# Altium PCB spin5v1_simple.PcbDoc (part 20 of 25)
Units mm, origin at the board's own origin, x right, y up, seen from the top; angles counter-clockwise.
Board outline 220.03 x 233.43 mm, 2 copper layers (TOP, BOTTOM), stack 0.176 mm thick; 1457 components, 4724 nets, 19245 pads, 25289 vias.
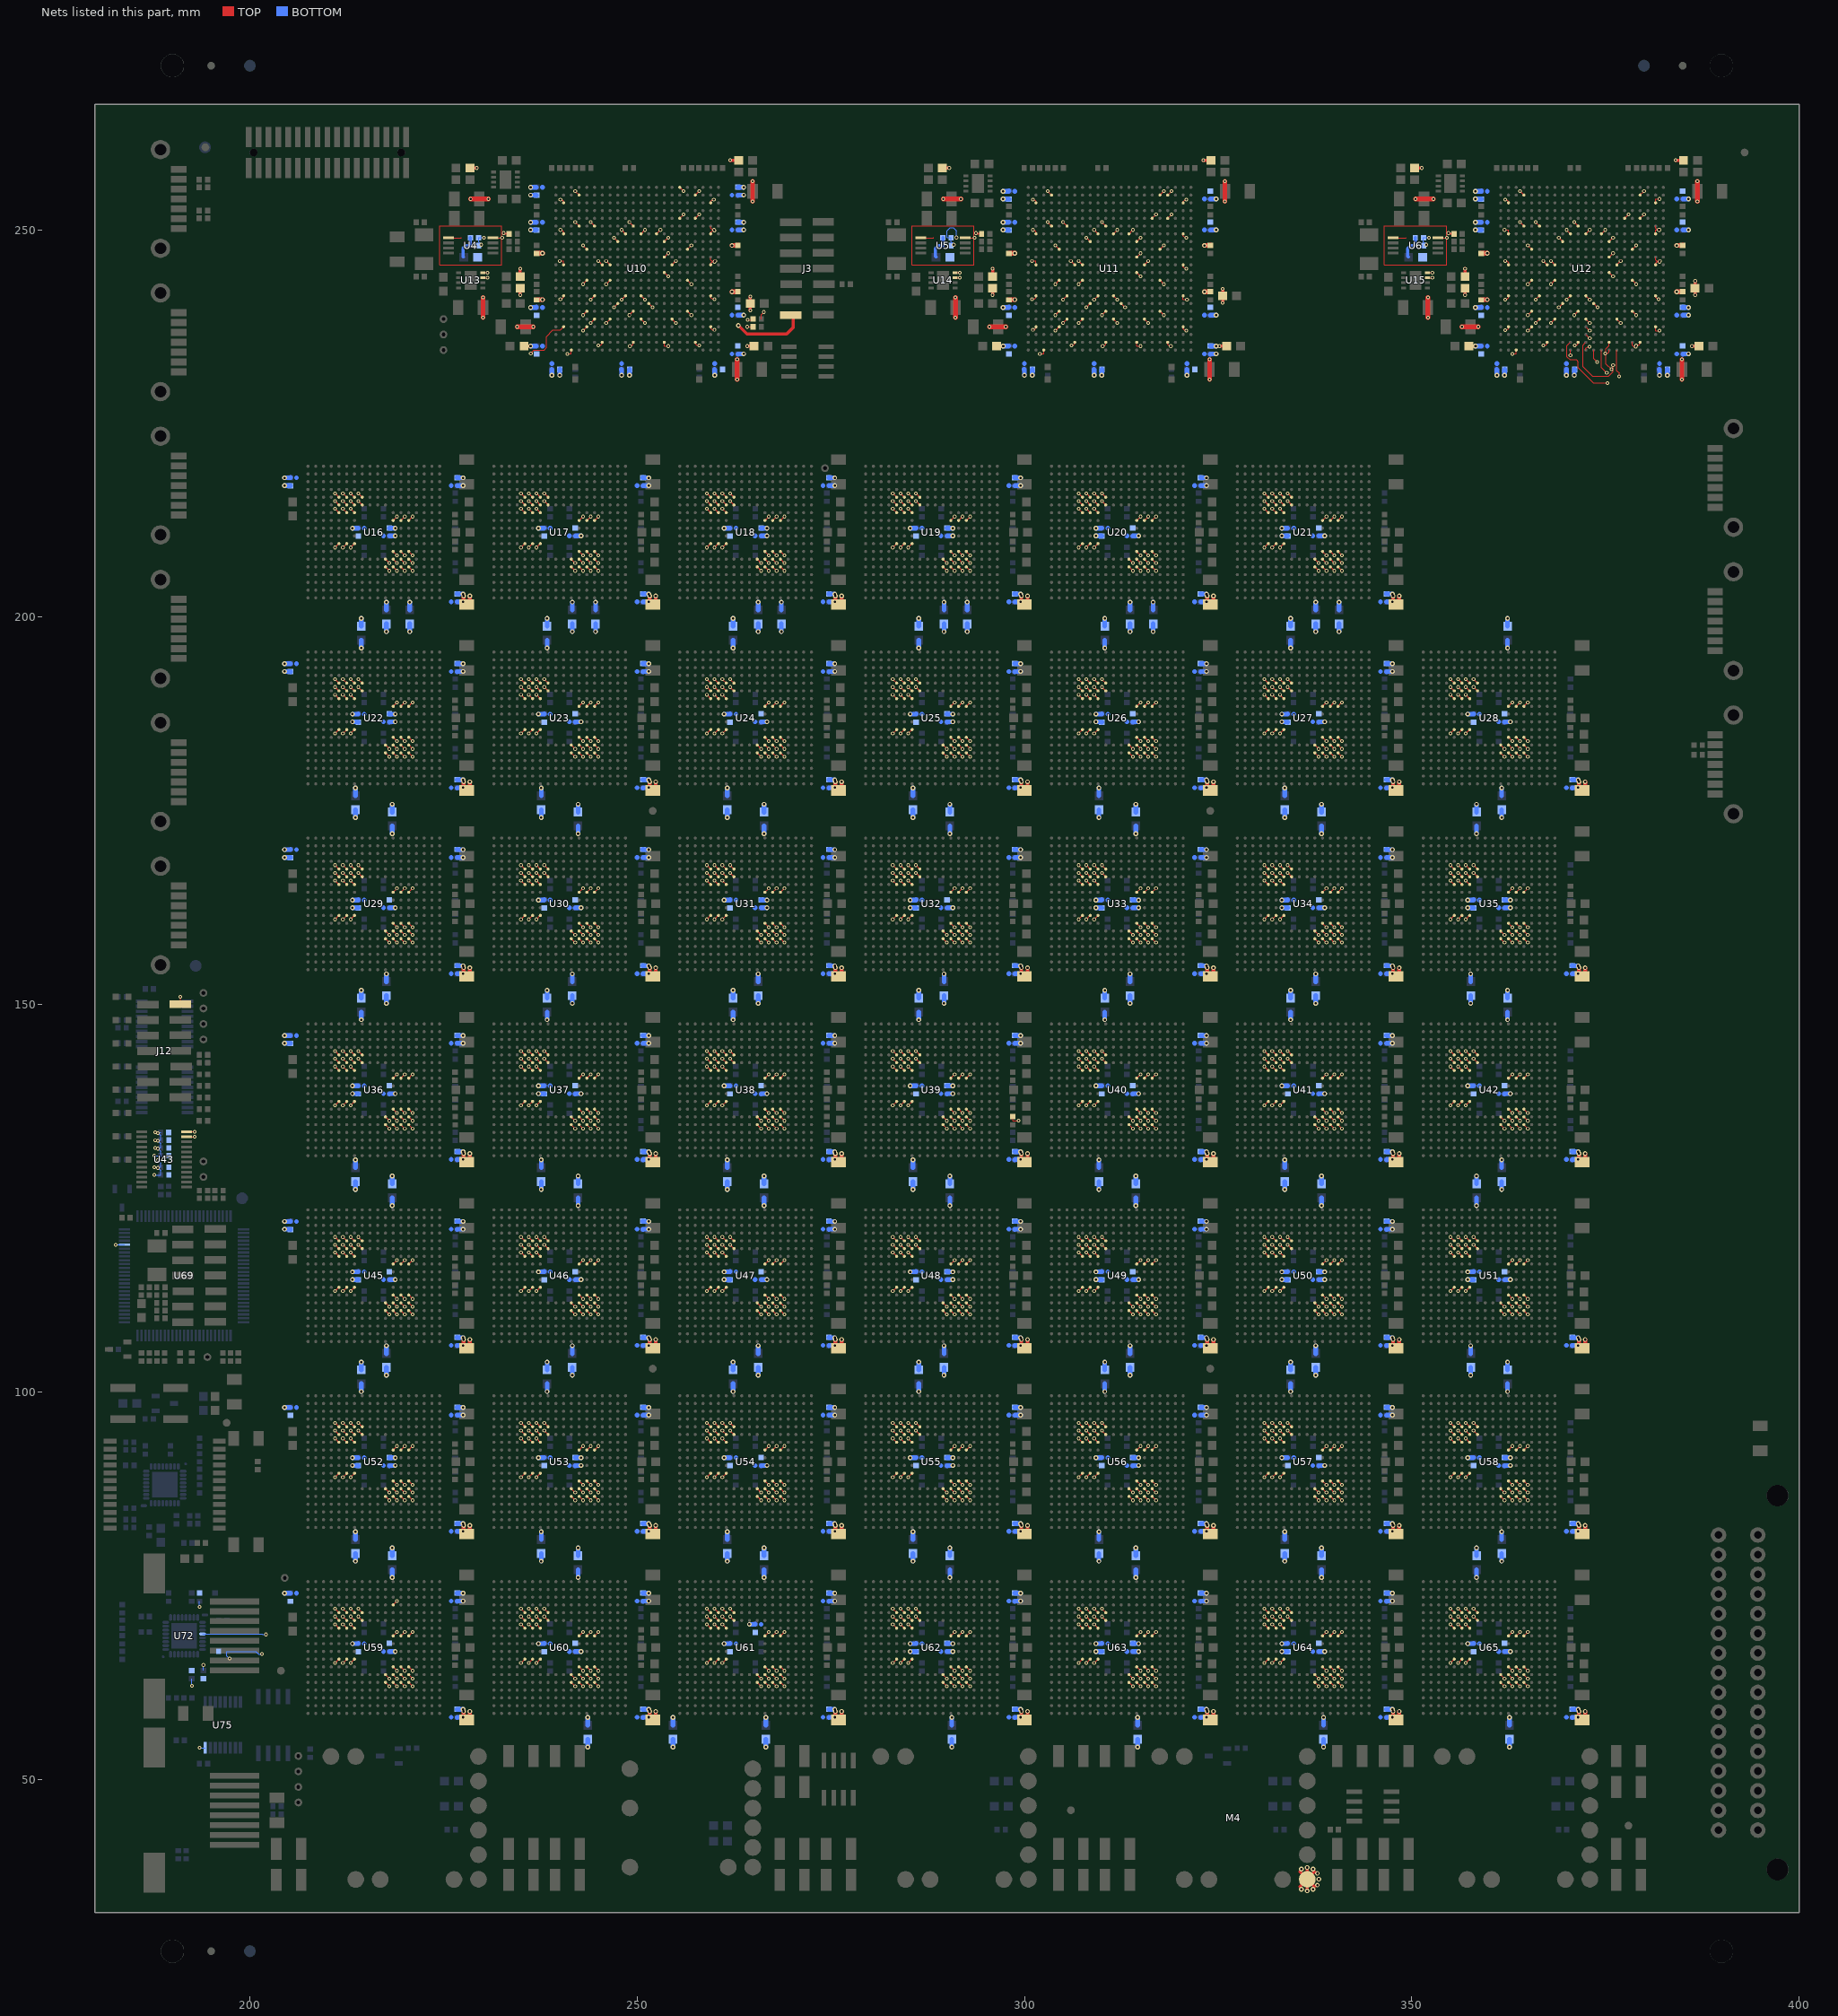
[diagram p20: the nets of this part, all layers, seen from the top]

## Via types
v1: diameter 0.48, hole 0.25, TOP to BOTTOM, 22348 vias
v2: diameter 0.61, hole 0.3, TOP to BOTTOM, 2059 vias
v3: diameter 0.8, hole 0, TOP to BOTTOM, 882 vias

## Nets (pads, with @x,y where several pads share a name; then routed paths per layer and width w, separated by ;. In a path a pad name is that pad's centre, name@x,y a point inside that pad or via, vN(x,y) a via of type N, cw(c..) or ccw(c..) an arc to the next point about the centre after c; other vN are vias at no path point) (continued)
V18: C2.1 C3.1 C4.1 C7.1 C14.1 C21.1 C110.1 C111.1 C112.1 C113.1 C114.1 C115.1 C153.1 C154.1 C155.1 C156.1 C157.1 C158.1 C196.1 C197.1 C198.1 C199.1 C200.1 C201.1 C202.1 C242.1 C243.1 C244.1 C245.1 C246.1 C247.1 C248.1 C285.1 C286.1 C287.1 C288.1 C289.1 C290.1 C291.1 C333.1 C334.1 C335.1 C336.1 C337.1 C338.1 C339.1 C380.1 C381.1 C382.1 C383.1 C384.1 C385.1 C386.1 C425.1 C426.1 C427.1 C428.1 C429.1 C430.1 C431.1 C450.1 C451.1 C452.1 C453.1 C454.1 C455.1 C456.1 C457.1 C458.1 C459.1 C460.1 C461.1 C468.1 C469.1 C470.1 C471.1 C472.1 C473.1 C476.1 C477.1 C478.1 C479.1 C480.1 C481.1 C484.1 C485.1 C486.1 C487.1 C488.1 C489.1 C490.1 C491.1 C492.1 C495.1 C496.1 C497.1 C498.1 C499.1 C500.1 C515.1 C516.1 C517.1 C518.1 C519.1 C520.1 C521.1 C522.1 C523.1 C524.1 C525.1 C526.1 C539.1 C540.1 C541.1 C542.1 C543.1 C544.1 C549.1 C550.1 C551.1 C552.1 C553.1 C554.1 C555.1 C556.1 C557.1 C558.1 C559.1 C560.1 C561.1 C562.1 C563.1 C564.1 C565.1 C566.1 C567.1 C572.1 C573.1 C574.1 C575.1 C576.1 C577.1 C578.1 C593.1 C594.1 C595.1 C596.1 C597.1 C598.1 C599.1 C600.1 C601.1 C602.1 C603.1 C604.1 C605.1 C606.1 C625.1 C626.1 C627.1 C628.1 C629.1 C630.1 C631.1 C634.1 C635.1 C636.1 C637.1 C638.1 C639.1 C640.1 C641.1 C642.1 C643.1 C644.1 C645.1 C646.1 C647.1 C648.1 C649.1 C650.1 C651.1 C652.1 C653.1 C654.1 C669.1 C670.1 C671.1 C672.1 C673.1 C674.1 C675.1 C676.1 C677.1 C678.1 C679.1 C680.1 C681.1 C682.1 C697.1 C698.1 C699.1 C700.1 C701.1 C702.1 C703.1 C705.1 C706.1 C707.1 C708.1 C709.1 C710.1 C711.1 C712.1 C713.1 C714.1 C715.1 C716.1 C717.1 C718.1 C719.1 C720.1 C721.1 C722.1 C723.1 C724.1 C725.1 C740.1 C741.1 C742.1 C743.1 C744.1 C745.1 C746.1 C747.1 C748.1 C749.1 C750.1 C751.1 C752.1 C753.1 C768.1 C769.1 C770.1 C771.1 C772.1 C773.1 C774.1 C775.1 C776.1 C777.1 C778.1 C779.1 C780.1 C781.1 C782.1 C783.1 C784.1 C785.1 C786.1 C787.1 C788.1 C789.1 C791.1 C792.1 C793.1 C794.1 C795.1 C796.1 C797.1 C812.1 C813.1 C814.1 C815.1 C816.1 C817.1 C818.1 C819.1 C820.1 C821.1 C822.1 C823.1 C824.1 C825.1 C840.1 C841.1 C842.1 C843.1 C844.1 C845.1 C846.1 C847.1 C848.1 C849.1 C850.1 C851.1 C852.1 C853.1 C854.1 C855.1 C856.1 C857.1 C858.1 C859.1 C860.1 C863.1 C864.1 C865.1 C866.1 C867.1 C868.1 C869.1 C884.1 C885.1 C886.1 C887.1 C888.1 C889.1 C890.1 C891.1 C892.1 C893.1 C894.1 C895.1 C896.1 C897.1 C915.1 C916.1 C917.1 C918.1 C919.1 C920.1 C921.1 C924.1 C925.1 C926.1 C927.1 C928.1 C929.1 C930.1 C931.1 C932.1 C933.1 C934.1 C935.1 C936.1 C937.1 C938.1 C939.1 C940.1 C941.1 C942.1 C943.1 C944.1 C945.1 C956.1 C963.1 C964.1 C965.1 C966.1 C967.1 C968.1 C969.1 C970.1 C972.1 C973.1 C974.1 C975.1 C976.1 C991.1 C993.1 C994.1 C995.1 C996.1 C997.1 C998.1 C999.1 C1000.1 C1001.1 C1002.1 C1003.1 C1004.1 C1005.1 C1006.1 J12.13 M4.5 R16.1 R109.1 R110.1 R111.1 R113.1 R114.1 R174.1 R176.1 U10.A17 U10.AA7 U10.AA11 U10.AA15 U10.AA19 U10.AB3 U10.B4 U10.B19 U10.C2 U10.C21 U10.E17 U10.E19 U10.F4 U10.F6 U10.G2 U10.G10 U10.G14 U10.G21 U10.J5 U10.J18 U10.L2 U10.L7 U10.L16 U10.L21 U10.N5 U10.N18 U10.R2 U10.R21 U10.T9 U10.T13 U10.U5 U10.U18 U10.V8 U10.V12 U10.V16 U10.W2 U10.W5 U10.W21 U11.AA7 U11.AA11 U11.AA15 U11.AA19 U11.AB3 U11.B4 U11.B18 U11.B19 U11.C2 U11.C21 U11.E17 U11.E19 U11.F4 U11.F6 U11.G2 U11.G10 U11.G14 U11.G21 U11.J5 U11.J18 U11.L2 U11.L7 U11.L16 U11.L21 U11.N5 U11.N18 U11.R2 U11.R21 U11.T9 U11.T13 U11.U5 U11.U18 U11.V8 U11.V12 U11.V16 U11.W2 U11.W5 U11.W21 U12.AA7 U12.AA11 U12.AA15 U12.AA19 U12.AB3 U12.B4 U12.B19 U12.C2 U12.C21 U12.E17 U12.E19 U12.F4 U12.F6 U12.G2 U12.G10 U12.G14 U12.G21 U12.J5 U12.J18 U12.L2 U12.L7 U12.L16 U12.L21 U12.N5 U12.N18 U12.R2 U12.R21 U12.T9 U12.T13 U12.U5 U12.U18 U12.V8 U12.V12 U12.V16 U12.W2 U12.W5 U12.W21 U16.E5 U16.E6 U16.E7 U16.E8 U16.F5 U16.F6 U16.F7 U16.F8 U16.G5 U16.G6 U16.G7 U16.H12 U16.H13 U16.H14 U16.L5 U16.L6 U16.L7 U16.M12 U16.M13 U16.M14 U16.N11 U16.N12 U16.N13 U16.N14 U16.P11 U16.P12 U16.P13 U16.P14 U17.E5 U17.E6 U17.E7 U17.E8 U17.F5 U17.F6 U17.F7 U17.F8 U17.G5 U17.G6 U17.G7 U17.H12 U17.H13 U17.H14 U17.L5 U17.L6 U17.L7 U17.M12 U17.M13 U17.M14 U17.N11 U17.N12 U17.N13 U17.N14 U17.P11 U17.P12 U17.P13 U17.P14 U18.E5 U18.E6 U18.E7 U18.E8 U18.F5 U18.F6 U18.F7 U18.F8 U18.G5 U18.G6 U18.G7 U18.H12 U18.H13 U18.H14 U18.L5 U18.L6 U18.L7 U18.M12 U18.M13 U18.M14 U18.N11 U18.N12 U18.N13 U18.N14 U18.P11 U18.P12 U18.P13 U18.P14 U19.E5 U19.E6 U19.E7 U19.E8 U19.F5 U19.F6 U19.F7 U19.F8 U19.G5 U19.G6 U19.G7 U19.H12 U19.H13 U19.H14 U19.L5 U19.L6 U19.L7 U19.M12 U19.M13 U19.M14 U19.N11 U19.N12 U19.N13 U19.N14 U19.P11 U19.P12 U19.P13 U19.P14 U20.E5 U20.E6 U20.E7 U20.E8 U20.F5 U20.F6 U20.F7 U20.F8 U20.G5 U20.G6 U20.G7 U20.H12 U20.H13 U20.H14 U20.L5 U20.L6 U20.L7 U20.M12 U20.M13 U20.M14 U20.N11 U20.N12 U20.N13 U20.N14 U20.P11 U20.P12 U20.P13 U20.P14 U21.E5 U21.E6 U21.E7 U21.E8 U21.F5 U21.F6 U21.F7 U21.F8 U21.G5 U21.G6 U21.G7 U21.H12 U21.H13 U21.H14 U21.L5 U21.L6 U21.L7 U21.M12 U21.M13 U21.M14 U21.N11 U21.N12 U21.N13 U21.N14 U21.P11 U21.P12 U21.P13 U21.P14 U22.E5 U22.E6 U22.E7 U22.E8 U22.F5 U22.F6 U22.F7 U22.F8 U22.G5 U22.G6 U22.G7 U22.H12 U22.H13 U22.H14 U22.L5 U22.L6 U22.L7 U22.M12 U22.M13 U22.M14 U22.N11 U22.N12 U22.N13 U22.N14 U22.P11 U22.P12 U22.P13 U22.P14 U23.E5 U23.E6 U23.E7 U23.E8 U23.F5 U23.F6 U23.F7 U23.F8 U23.G5 U23.G6 U23.G7 U23.H12 U23.H13 U23.H14 U23.L5 U23.L6 U23.L7 U23.M12 U23.M13 U23.M14 U23.N11 U23.N12 U23.N13 U23.N14 U23.P11 U23.P12 U23.P13 U23.P14 U24.E5 U24.E6 U24.E7 U24.E8 U24.F5 U24.F6 U24.F7 U24.F8 U24.G5 U24.G6 U24.G7 U24.H12 U24.H13 U24.H14 U24.L5 U24.L6 U24.L7 U24.M12 U24.M13 U24.M14 U24.N11 U24.N12 U24.N13 U24.N14 U24.P11 U24.P12 U24.P13 U24.P14 U25.E5 U25.E6 U25.E7 U25.E8 U25.F5 U25.F6 U25.F7 U25.F8 U25.G5 U25.G6 U25.G7 U25.H12 U25.H13 U25.H14 U25.L5 U25.L6 U25.L7 U25.M12 U25.M13 U25.M14 U25.N11 U25.N12 U25.N13 U25.N14 U25.P11 U25.P12 U25.P13 U25.P14 U26.E5 U26.E6 U26.E7 U26.E8 U26.F5 U26.F6 U26.F7 U26.F8 U26.G5 U26.G6 U26.G7 U26.H12 U26.H13 U26.H14 U26.L5 U26.L6 U26.L7 U26.M12 U26.M13 U26.M14 U26.N11 U26.N12 U26.N13 U26.N14 U26.P11 U26.P12 U26.P13 U26.P14 U27.E5 U27.E6 U27.E7 U27.E8 U27.F5 U27.F6 U27.F7 U27.F8 U27.G5 U27.G6 U27.G7 U27.H12 U27.H13 U27.H14 U27.L5 U27.L6 U27.L7 U27.M12 U27.M13 U27.M14 U27.N11 U27.N12 U27.N13 U27.N14 U27.P11 U27.P12 U27.P13 U27.P14 U28.E5 U28.E6 U28.E7 U28.E8 U28.F5 U28.F6 U28.F7 U28.F8 U28.G5 U28.G6 U28.G7 U28.H12 U28.H13 U28.H14 U28.L5 U28.L6 U28.L7 U28.M12 U28.M13 U28.M14 U28.N11 U28.N12 U28.N13 U28.N14 U28.P11 U28.P12 U28.P13 U28.P14 U29.E5 U29.E6 U29.E7 U29.E8 U29.F5 U29.F6 U29.F7 U29.F8 U29.G5 U29.G6 U29.G7 U29.H12 U29.H13 U29.H14 U29.L5 U29.L6 U29.L7 U29.M12 U29.M13 U29.M14 U29.N11 U29.N12 U29.N13 U29.N14 U29.P11 U29.P12 U29.P13 U29.P14 U30.E5 U30.E6 U30.E7 U30.E8 U30.F5 U30.F6 U30.F7 U30.F8 U30.G5 U30.G6 U30.G7 U30.H12 U30.H13 U30.H14 U30.L5 U30.L6 U30.L7 U30.M12 U30.M13 U30.M14 U30.N11 U30.N12 U30.N13 U30.N14 U30.P11 U30.P12 U30.P13 U30.P14 U31.E5 U31.E6 U31.E7 U31.E8 U31.F5 U31.F6 U31.F7 U31.F8 U31.G5 U31.G6 U31.G7 U31.H12 U31.H13 U31.H14 U31.L5 U31.L6 U31.L7 U31.M12 U31.M13 U31.M14 U31.N11 U31.N12 U31.N13 U31.N14 U31.P11 U31.P12 U31.P13 U31.P14 U32.E5 U32.E6 U32.E7 U32.E8 U32.F5 U32.F6 U32.F7 U32.F8 U32.G5 U32.G6 U32.G7 U32.H12 U32.H13 U32.H14 U32.L5 U32.L6 U32.L7 U32.M12 U32.M13 U32.M14 U32.N11 U32.N12 U32.N13 U32.N14 U32.P11 U32.P12 U32.P13 U32.P14 U33.E5 U33.E6 U33.E7 U33.E8 U33.F5 U33.F6 U33.F7 U33.F8 U33.G5 U33.G6 U33.G7 U33.H12 U33.H13 U33.H14 U33.L5 U33.L6 U33.L7 U33.M12 U33.M13 U33.M14 U33.N11 U33.N12 U33.N13 U33.N14 U33.P11 U33.P12 U33.P13 U33.P14 U34.E5 U34.E6 U34.E7 U34.E8 U34.F5 U34.F6 U34.F7 U34.F8 U34.G5 U34.G6 U34.G7 U34.H12 U34.H13 U34.H14 U34.L5 U34.L6 U34.L7 U34.M12 U34.M13 U34.M14 U34.N11 U34.N12 U34.N13 U34.N14 U34.P11 U34.P12 U34.P13 U34.P14 U35.E5 U35.E6 U35.E7 U35.E8 U35.F5 U35.F6 U35.F7 U35.F8 U35.G5 U35.G6 U35.G7 U35.H12 U35.H13 U35.H14 U35.L5 U35.L6 U35.L7 U35.M12 U35.M13 U35.M14 U35.N11 U35.N12 U35.N13 U35.N14 U35.P11 U35.P12 U35.P13 U35.P14 U36.E5 U36.E6 U36.E7 U36.E8 U36.F5 U36.F6 U36.F7 U36.F8 U36.G5 U36.G6 U36.G7 U36.H12 U36.H13 U36.H14 U36.L5 U36.L6 U36.L7 U36.M12 U36.M13 U36.M14 U36.N11 U36.N12 U36.N13 U36.N14 U36.P11 U36.P12 U36.P13 U36.P14 U37.E5 U37.E6 U37.E7 U37.E8 U37.F5 U37.F6 U37.F7 U37.F8 U37.G5 U37.G6 U37.G7 U37.H12 U37.H13 U37.H14 U37.L5 U37.L6 U37.L7 U37.M12 U37.M13 U37.M14 U37.N11 U37.N12 U37.N13 U37.N14 U37.P11 U37.P12 U37.P13 U37.P14 U38.E5 U38.E6 U38.E7 U38.E8 U38.F5 U38.F6 U38.F7 U38.F8 U38.G5 U38.G6 U38.G7 U38.H12 U38.H13 U38.H14 U38.L5 U38.L6 U38.L7 U38.M12 U38.M13 U38.M14 U38.N11 U38.N12 U38.N13 U38.N14 U38.P11 U38.P12 U38.P13 U38.P14 U39.E5 U39.E6 U39.E7 U39.E8 U39.F5 U39.F6 U39.F7 U39.F8 U39.G5 U39.G6 U39.G7 U39.H12 U39.H13 U39.H14 U39.L5 U39.L6 U39.L7 U39.M12 U39.M13 U39.M14 U39.N11 U39.N12 U39.N13 U39.N14 U39.P11 U39.P12 U39.P13 U39.P14 U40.E5 U40.E6 U40.E7 U40.E8 U40.F5 U40.F6 U40.F7 U40.F8 U40.G5 U40.G6 U40.G7 U40.H12 U40.H13 U40.H14 U40.L5 U40.L6 U40.L7 U40.M12 U40.M13 U40.M14 U40.N11 U40.N12 U40.N13 U40.N14 U40.P11 U40.P12 U40.P13 U40.P14 U41.E5 U41.E6 U41.E7 U41.E8 U41.F5 U41.F6 U41.F7 U41.F8 U41.G5 U41.G6 U41.G7 U41.H12 U41.H13 U41.H14 U41.L5 U41.L6 U41.L7 U41.M12 U41.M13 U41.M14 U41.N11 U41.N12 U41.N13 U41.N14 U41.P11 U41.P12 U41.P13 U41.P14 U42.E5 U42.E6 U42.E7 U42.E8 U42.F5 U42.F6 U42.F7 U42.F8 U42.G5 U42.G6 U42.G7 U42.H12 U42.H13 U42.H14 U42.L5 U42.L6 U42.L7 U42.M12 U42.M13 U42.M14 U42.N11 U42.N12 U42.N13 U42.N14 U42.P11 U42.P12 U42.P13 U42.P14 U43.23 U43.24 U45.E5 U45.E6 U45.E7 U45.E8 U45.F5 U45.F6 U45.F7 U45.F8 U45.G5 U45.G6 U45.G7 U45.H12 U45.H13 U45.H14 U45.L5 U45.L6 U45.L7 U45.M12 U45.M13 U45.M14 U45.N11 U45.N12 U45.N13 U45.N14 U45.P11 U45.P12 U45.P13 U45.P14 U46.E5 U46.E6 U46.E7 U46.E8 U46.F5 U46.F6 U46.F7 U46.F8 U46.G5 U46.G6 U46.G7 U46.H12 U46.H13 U46.H14 U46.L5 U46.L6 U46.L7 U46.M12 U46.M13 U46.M14 U46.N11 U46.N12 U46.N13 U46.N14 U46.P11 U46.P12 U46.P13 U46.P14 U47.E5 U47.E6 U47.E7 U47.E8 U47.F5 U47.F6 U47.F7 U47.F8 U47.G5 U47.G6 U47.G7 U47.H12 U47.H13 U47.H14 U47.L5 U47.L6 U47.L7 U47.M12 U47.M13 U47.M14 U47.N11 U47.N12 U47.N13 U47.N14 U47.P11 U47.P12 U47.P13 U47.P14 U48.E5 U48.E6 U48.E7 U48.E8 U48.F5 U48.F6 U48.F7 U48.F8 U48.G5 U48.G6 U48.G7 U48.H12 U48.H13 U48.H14 U48.L5 U48.L6 U48.L7 U48.M12 U48.M13 U48.M14 U48.N11 U48.N12 U48.N13 U48.N14 U48.P11 U48.P12 U48.P13 U48.P14 U49.E5 U49.E6 U49.E7 U49.E8 U49.F5 U49.F6 U49.F7 U49.F8 U49.G5 U49.G6 U49.G7 U49.H12 U49.H13 U49.H14 U49.L5 U49.L6 U49.L7 U49.M12 U49.M13 U49.M14 U49.N11 U49.N12 U49.N13 U49.N14 U49.P11 U49.P12 U49.P13 U49.P14 U50.E5 U50.E6 U50.E7 U50.E8 U50.F5 U50.F6 U50.F7 U50.F8 U50.G5 U50.G6 U50.G7 U50.H12 U50.H13 U50.H14 U50.L5 U50.L6 U50.L7 U50.M12 U50.M13 U50.M14 U50.N11 U50.N12 U50.N13 U50.N14 U50.P11 U50.P12 U50.P13 U50.P14 U51.E5 U51.E6 U51.E7 U51.E8 U51.F5 U51.F6 U51.F7 U51.F8 U51.G5 U51.G6 U51.G7 U51.H12 U51.H13 U51.H14 U51.L5 U51.L6 U51.L7 U51.M12 U51.M13 U51.M14 U51.N11 U51.N12 U51.N13 U51.N14 U51.P11 U51.P12 U51.P13 U51.P14 U52.E5 U52.E6 U52.E7 U52.E8 U52.F5 U52.F6 U52.F7 U52.F8 U52.G5 U52.G6 U52.G7 U52.H12 U52.H13 U52.H14 U52.L5 U52.L6 U52.L7 U52.M12 U52.M13 U52.M14 U52.N11 U52.N12 U52.N13 U52.N14 U52.P11 U52.P12 U52.P13 U52.P14 U53.E5 U53.E6 U53.E7 U53.E8 U53.F5 U53.F6 U53.F7 U53.F8 U53.G5 U53.G6 U53.G7 U53.H12 U53.H13 U53.H14 U53.L5 U53.L6 U53.L7 U53.M12 U53.M13 U53.M14 U53.N11 U53.N12 U53.N13 U53.N14 U53.P11 U53.P12 U53.P13 U53.P14 U54.E5 U54.E6 U54.E7 U54.E8 U54.F5 U54.F6 U54.F7 U54.F8 U54.G5 U54.G6 U54.G7 U54.H12 U54.H13 U54.H14 U54.L5 U54.L6 U54.L7 U54.M12 U54.M13 U54.M14 U54.N11 U54.N12 U54.N13 U54.N14 U54.P11 U54.P12 U54.P13 U54.P14 U55.E5 U55.E6 U55.E7 U55.E8 U55.F5 U55.F6 U55.F7 U55.F8 U55.G5 U55.G6 U55.G7 U55.H12 U55.H13 U55.H14 U55.L5 U55.L6 U55.L7 U55.M12 U55.M13 U55.M14 U55.N11 U55.N12 U55.N13 U55.N14 U55.P11 U55.P12 U55.P13 U55.P14 U56.E5 U56.E6 U56.E7 U56.E8 U56.F5 U56.F6 U56.F7 U56.F8 U56.G5 U56.G6 U56.G7 U56.H12 U56.H13 U56.H14 U56.L5 U56.L6 U56.L7 U56.M12 U56.M13 U56.M14 U56.N11 U56.N12 U56.N13 U56.N14 U56.P11 U56.P12 U56.P13 U56.P14 U57.E5 U57.E6 U57.E7 U57.E8 U57.F5 U57.F6 U57.F7 U57.F8 U57.G5 U57.G6 U57.G7 U57.H12 U57.H13 U57.H14 U57.L5 U57.L6 U57.L7 U57.M12 U57.M13 U57.M14 U57.N11 U57.N12 U57.N13 U57.N14 U57.P11 U57.P12 U57.P13 U57.P14 U58.E5 U58.E6 U58.E7 U58.E8 U58.F5 U58.F6 U58.F7 U58.F8 U58.G5 U58.G6 U58.G7 U58.H12 U58.H13 U58.H14 U58.L5 U58.L6 U58.L7 U58.M12 U58.M13 U58.M14 U58.N11 U58.N12 U58.N13 U58.N14 U58.P11 U58.P12 U58.P13 U58.P14 U59.D12 U59.E5 U59.E6 U59.E7 U59.E8 U59.F5 U59.F6 U59.F7 U59.F8 U59.G5 U59.G6 U59.G7 U59.H12 U59.H13 U59.H14 U59.L5 U59.L6 U59.L7 U59.M12 U59.M13 U59.M14 U59.N11 U59.N12 U59.N13 U59.N14 U59.P11 U59.P12 U59.P13 U59.P14 U60.E5 U60.E6 U60.E7 U60.E8 U60.F5 U60.F6 U60.F7 U60.F8 U60.G5 U60.G6 U60.G7 U60.H12 U60.H13 U60.H14 U60.L5 U60.L6 U60.L7 U60.M12 U60.M13 U60.M14 U60.N11 U60.N12 U60.N13 U60.N14 U60.P11 U60.P12 U60.P13 U60.P14 U61.E5 U61.E6 U61.E7 U61.E8 U61.F5 U61.F6 U61.F7 U61.F8 U61.G5 U61.G6 U61.G7 U61.H12 U61.H13 U61.H14 U61.L5 U61.L6 U61.L7 U61.M12 U61.M13 U61.M14 U61.N11 U61.N12 U61.N13 U61.N14 U61.P11 U61.P12 U61.P13 U61.P14 U62.E5 U62.E6 U62.E7 U62.E8 U62.F5 U62.F6 U62.F7 U62.F8 U62.G5 U62.G6 U62.G7 U62.H12 U62.H13 U62.H14 U62.L5 U62.L6 U62.L7 U62.M12 U62.M13 U62.M14 U62.N11 U62.N12 U62.N13 U62.N14 U62.P11 U62.P12 U62.P13 U62.P14 U63.E5 U63.E6 U63.E7 U63.E8 U63.F5 U63.F6 U63.F7 U63.F8 U63.G5 U63.G6 U63.G7 U63.H12 U63.H13 U63.H14 U63.L5 U63.L6 U63.L7 U63.M12 U63.M13 U63.M14 U63.N11 U63.N12 U63.N13 U63.N14 U63.P11 U63.P12 U63.P13 U63.P14 U64.E5 U64.E6 U64.E7 U64.E8 U64.F5 U64.F6 U64.F7 U64.F8 U64.G5 U64.G6 U64.G7 U64.H12 U64.H13 U64.H14 U64.L5 U64.L6 U64.L7 U64.M12 U64.M13 U64.M14 U64.N11 U64.N12 U64.N13 U64.N14 U64.P11 U64.P12 U64.P13 U64.P14 U65.E5 U65.E6 U65.E7 U65.E8 U65.F5 U65.F6 U65.F7 U65.F8 U65.G5 U65.G6 U65.G7 U65.H12 U65.H13 U65.H14 U65.L5 U65.L6 U65.L7 U65.M12 U65.M13 U65.M14 U65.N11 U65.N12 U65.N13 U65.N14 U65.P11 U65.P12 U65.P13 U65.P14 U69.21 U72.12 U75.16 | length 119.9
  TOP w0.127: J12.13@191.02,150.04 v1(191.02,151.022) ; U43.23@191.8,132.925 v1(192.867,132.925) ; U43.24@191.8,133.575 v1(192.867,133.575) ; v1(236.263,234.065) 236.694,234.496 237.985,234.496 238.303,234.814 238.303,236.243 239.129,237.069 240.069,237.069 U10.W2@240.5,237.5 ; v1(240,246) 240.5,246 U10.L2@240.5,245.5 ; v1(240.099,241.065) 240.26,241.065 240.5,241.305 U10.R2@240.5,241.5 ; v1(240.099,250) 240.26,250 240.5,249.76 U10.G2@240.5,249.5 ; v1(240.099,253.901) 240.3,253.901 240.5,253.701 U10.C2@240.5,253.5 ; v1(241,234) 241.5,234 U10.AB3@241.5,234.5 ; v1(245,235.099) 245.3,235.099 245.5,235.299 U10.AA7@245.5,235.5 ; v1(249.065,235) 249.26,235 249.5,235.24 U10.AA11@249.5,235.5 ; U10.AA15@253.5,235.5 253.5,235 v1(254,235) ; U10.AA19@257.5,235.5 257.5,235.299 257.7,235.099 v1(258,235.099) ; U10.W21@259.5,237.5 259.5,237.299 259.7,237.099 v1(260,237.099) ; U10.R21@259.5,241.5 259.5,241.269 259.7,241.069 v1(260,241.069) ; U10.L21@259.5,245.5 259.5,245.701 259.7,245.901 v1(260,245.901) ; U10.G21@259.5,249.5 259.5,249.701 259.7,249.901 v1(260,249.901) ; U10.C21@259.5,253.5 259.5,253.701 259.7,253.901 v1(259.901,253.901) ; R16.1@298.5,135.53 298.5,135.004 v1(299.255,135.004) ; v1(301,241.066) 301.3,241.066 301.5,241.266 U11.R2@301.5,241.5 ; v1(301,246) 301.5,246 U11.L2@301.5,245.5 ; v1(301.099,237.099) 301.3,237.099 301.5,237.299 U11.W2@301.5,237.5 ; v1(301.099,250) 301.26,250 301.5,249.76 U11.G2@301.5,249.5 ; v1(301.099,253.901) 301.3,253.901 301.5,253.701 U11.C2@301.5,253.5 ; v1(302,234) 302.5,234 U11.AB3@302.5,234.5 ; v1(306.067,235.099) 306.3,235.099 306.5,235.299 U11.AA7@306.5,235.5 ; v1(310.099,235) 310.26,235 310.5,235.24 U11.AA11@310.5,235.5 ; U11.AA15@314.5,235.5 314.5,235 v1(315,235) ; U11.AA19@318.5,235.5 318.5,235.24 318.74,235 v1(318.901,235) ; U11.W21@320.5,237.5 320.5,237.24 320.74,237 v1(320.901,237) ; U11.R21@320.5,241.5 320.5,241 v1(321,241) ; U11.L21@320.5,245.5 320.5,245.24 320.74,245 v1(320.901,245) ; U11.G21@320.5,249.5 320.5,249.24 320.74,249 v1(320.901,249) ; U11.C21@320.5,253.5 320.5,253.661 320.74,253.901 v1(320.901,253.901) ; v1(362,250) 362.5,250 U12.G2@362.5,249.5 ; v1(362.065,237.069) 362.3,237.069 362.5,237.269 U12.W2@362.5,237.5 ; v1(362.099,241) 362.26,241 362.5,241.24 U12.R2@362.5,241.5 ; v1(362.099,246) 362.26,246 362.5,245.76 U12.L2@362.5,245.5 ; v1(362.099,253.901) 362.26,253.901 362.5,253.661 U12.C2@362.5,253.5 ; v1(363.001,234.01) 363.5,234.01 U12.AB3@363.5,234.5 ; v1(367,235.099) 367.3,235.099 367.5,235.299 U12.AA7@367.5,235.5 ; v1(371.065,235.099) 371.3,235.099 371.5,235.299 U12.AA11@371.5,235.5 ; U12.AA15@375.5,235.5 375.5,235.053 375.109,234.662 375.109,232.715 v1(375.8,232.024) ; v1(379,235.099) 379.3,235.099 379.5,235.299 U12.AA19@379.5,235.5 ; U12.W21@381.5,237.5 381.5,237 v1(382,237) ; U12.R21@381.5,241.5 381.5,241.305 381.74,241.065 v1(381.901,241.065) ; U12.L21@381.5,245.5 381.5,245.701 381.7,245.901 v1(382,245.901) ; U12.G21@381.5,249.5 381.5,250 v1(382,250) ; U12.C21@381.5,253.5 381.5,254 v1(382,254)
  TOP w0.4: C7.1@228.4,258 v1(229.3,258) ; C110.1@235.4,235 v1(236.3,235) ; v1(262,259) C2.1@263.1,259 ; v1(264.2,235) C111.1@265.1,235 ; C14.1@289.4,258 v1(290.3,258) ; C112.1@296.4,235 v1(297.3,235) ; v1(323.1,259) C3.1@324.1,259 ; v1(325.2,235) C113.1@326.1,235 ; 335.573,36.148 M4.5@336.515,37.09 ; 335.573,38.032 M4.5@336.515,37.09 ; v2@336.515,35.83 M4.5@336.515,37.09 ; v2@336.515,38.35 M4.5@336.515,37.09 ; 337.457,36.148 M4.5@336.515,37.09 ; 337.457,38.032 M4.5@336.515,37.09 ; C21.1@350.4,258 v1(351.3,258) ; C114.1@357.4,235 v1(358.3,235) ; v1(384.1,259) C4.1@385.1,259 ; v1(386.2,235) C115.1@387.1,235
  TOP w0.6: v1(228.5,254) 229.6,254 v1(230.8,254) ; v1(234.5,237.5) 235.6,237.5 v1(236.6,237.5) ; v1(262.9,230.7) 262.9,232 v1(262.9,233.3) ; v1(264.9,253.7) 264.9,255 v1(264.9,256.3) ; v1(289.5,254) 290.6,254 v1(291.8,254) ; v1(295.5,237.5) 296.6,237.5 v1(297.6,237.5) ; v1(323.9,230.7) 323.9,232 v1(323.9,233.3) ; v1(325.9,253.7) 325.9,255 v1(325.9,256.3) ; v1(350.5,254) 351.6,254 v1(352.8,254) ; v1(356.5,237.5) 357.6,237.5 v1(358.6,237.5) ; v1(384.9,230.7) 384.9,232 v1(384.9,233.3) ; v1(386.9,253.7) 386.9,255 v1(386.9,256.3)
  BOTTOM w0.127: v1(182.683,119) U69.21@183.8,119 ; v1(187.66,128) 188.47,128 ; v1(187.66,129) 188.47,129 ; v1(187.66,130.5) 188.47,130.5 ; v1(187.758,133.5) 188.47,133.5 ; v1(187.768,131.5) 188.47,131.5 ; v1(187.768,132.494) 188.47,132.494 188.47,132.5 ; v1(192.5,62.063) 192.5,62.97 ; v1(193.5,72.258) 193.5,72.97 ; v1(193.519,54.05) U75.16@194.22,54.05 ; U72.12@193.875,68.75 201.583,68.75 201.645,68.688 v1(202.076,68.688) ; 194,64.03 v1(194,64.742) ; 197.03,66.5 200.771,66.5 201.111,66.16 v1(201.542,66.16)
  BOTTOM w0.61: 206.01,74 206.012,74 ; 206.01,98 206.012,98 ; 206.01,122 206.012,122 ; 206.01,146 206.012,146 ; 206.01,170 206.012,170 ; 206.01,194 206.012,194 ; 206.01,218 206.012,218 ; 214.76,67.5 214.762,67.5 ; 214.76,91.5 214.762,91.5 ; 214.76,115.5 214.762,115.5 ; 214.76,139.5 214.762,139.5 ; 214.76,163.5 214.762,163.5 ; 214.76,187.5 214.762,187.5 ; 214.76,211.5 214.762,211.5 ; 217.238,66.5 217.24,66.5 ; 217.238,90.5 217.24,90.5 ; 217.238,114.5 217.24,114.5 ; 217.238,138.5 217.24,138.5 ; 217.238,162.5 217.24,162.5 ; 217.238,186.5 217.24,186.5 ; 217.238,210.5 217.24,210.5 ; 225.988,58 225.99,58 ; 225.988,73 225.99,73 ; 225.988,82 225.99,82 ; 225.988,97 225.99,97 ; 225.988,106 225.99,106 ; 225.988,121 225.99,121 ; 225.988,130 225.99,130 ; 225.988,145 225.99,145 ; 225.988,154 225.99,154 ; 225.988,169 225.99,169 ; 225.988,178 225.99,178 ; 225.988,193 225.99,193 ; 225.988,202 225.99,202 ; 225.988,217 225.99,217 ; 237.76,235 237.762,235 ; 237.76,240 237.762,240 ; 237.76,251 237.762,251 ; 237.76,255.5 237.762,255.5 ; 238.76,67.5 238.762,67.5 ; 238.76,91.5 238.762,91.5 ; 238.76,115.5 238.762,115.5 ; 238.76,139.5 238.762,139.5 ; 238.76,163.5 238.762,163.5 ; 238.76,187.5 238.762,187.5 ; 238.76,211.5 238.762,211.5 ; 239,232.76 239,232.762 ; 241.238,66.5 241.24,66.5 ; 241.238,90.5 241.24,90.5 ; 241.238,114.5 241.24,114.5 ; 241.238,138.5 241.24,138.5 ; 241.238,162.5 241.24,162.5 ; 241.238,186.5 241.24,186.5 ; 241.238,210.5 241.24,210.5 ; 248,232.76 248,232.762 ; 249.988,58 249.99,58 ; 249.988,73 249.99,73 ; 249.988,82 249.99,82 ; 249.988,97 249.99,97 ; 249.988,106 249.99,106 ; 249.988,121 249.99,121 ; 249.988,130 249.99,130 ; 249.988,145 249.99,145 ; 249.988,154 249.99,154 ; 249.988,169 249.99,169 ; 249.988,178 249.99,178 ; 249.988,193 249.99,193 ; 249.988,202 249.99,202 ; 249.988,217 249.99,217 ; 260,232.76 260,232.762 ; 262.238,234 262.24,234 ; 262.238,239 262.24,239 ; 262.238,250 262.24,250 ; 262.238,254.5 262.24,254.5 ; 262.76,67.5 262.762,67.5 ; 262.76,91.5 262.762,91.5 ; 262.76,115.5 262.762,115.5 ; 262.76,139.5 262.762,139.5 ; 262.76,163.5 262.762,163.5 ; 262.76,187.5 262.762,187.5 ; 262.76,211.5 262.762,211.5 ; 265.238,90.5 265.24,90.5 ; 265.238,114.5 265.24,114.5 ; 265.238,138.5 265.24,138.5 ; 265.238,162.5 265.24,162.5 ; 265.238,186.5 265.24,186.5 ; 265.238,210.5 265.24,210.5 ; 266.01,70 266.012,70 ; 273.988,58 273.99,58 ; 273.988,73 273.99,73 ; 273.988,82 273.99,82 ; 273.988,97 273.99,97 ; 273.988,106 273.99,106 ; 273.988,121 273.99,121 ; 273.988,130 273.99,130 ; 273.988,145 273.99,145 ; 273.988,154 273.99,154 ; 273.988,169 273.99,169 ; 273.988,178 273.99,178 ; 273.988,193 273.99,193 ; 273.988,202 273.99,202 ; 273.988,217 273.99,217 ; 286.76,67.5 286.762,67.5 ; 286.76,91.5 286.762,91.5 ; 286.76,115.5 286.762,115.5 ; 286.76,139.5 286.762,139.5 ; 286.76,163.5 286.762,163.5 ; 286.76,187.5 286.762,187.5 ; 286.76,211.5 286.762,211.5 ; 289.238,66.5 289.24,66.5 ; 289.238,90.5 289.24,90.5 ; 289.238,114.5 289.24,114.5 ; 289.238,138.5 289.24,138.5 ; 289.238,162.5 289.24,162.5 ; 289.238,186.5 289.24,186.5 ; 289.238,210.5 289.24,210.5 ; 297.988,58 297.99,58 ; 297.988,73 297.99,73 ; 297.988,82 297.99,82 ; 297.988,97 297.99,97 ; 297.988,106 297.99,106 ; 297.988,121 297.99,121 ; 297.988,130 297.99,130 ; 297.988,145 297.99,145 ; 297.988,154 297.99,154 ; 297.988,169 297.99,169 ; 297.988,178 297.99,178 ; 297.988,193 297.99,193 ; 297.988,202 297.99,202 ; 297.988,217 297.99,217 ; 298.76,235 298.762,235 ; 298.76,240 298.762,240 ; 298.76,251 298.762,251 ; 298.76,255 298.762,255 ; 300,232.76 300,232.762 ; 309,232.76 309,232.762 ; 310.76,67.5 310.762,67.5 ; 310.76,91.5 310.762,91.5 ; 310.76,115.5 310.762,115.5 ; 310.76,139.5 310.762,139.5 ; 310.76,163.5 310.762,163.5 ; 310.76,187.5 310.762,187.5 ; 310.76,211.5 310.762,211.5 ; 313.238,66.5 313.24,66.5 ; 313.238,90.5 313.24,90.5 ; 313.238,114.5 313.24,114.5 ; 313.238,138.5 313.24,138.5 ; 313.238,162.5 313.24,162.5 ; 313.238,186.5 313.24,186.5 ; 313.238,210.5 313.24,210.5 ; 321,232.76 321,232.762 ; 321.988,58 321.99,58 ; 321.988,73 321.99,73 ; 321.988,82 321.99,82 ; 321.988,97 321.99,97 ; 321.988,106 321.99,106 ; 321.988,121 321.99,121 ; 321.988,130 321.99,130 ; 321.988,145 321.99,145 ; 321.988,154 321.99,154 ; 321.988,169 321.99,169 ; 321.988,178 321.99,178 ; 321.988,193 321.99,193 ; 321.988,202 321.99,202 ; 321.988,217 321.99,217 ; 323.238,234 323.24,234 ; 323.238,239 323.24,239 ; 323.238,250 323.24,250 ; 323.238,254 323.24,254 ; 334.76,67.5 334.762,67.5 ; 334.76,91.5 334.762,91.5 ; 334.76,115.5 334.762,115.5 ; 334.76,139.5 334.762,139.5 ; 334.76,163.5 334.762,163.5 ; 334.76,187.5 334.762,187.5 ; 334.76,211.5 334.762,211.5 ; 337.238,66.5 337.24,66.5 ; 337.238,90.5 337.24,90.5 ; 337.238,114.5 337.24,114.5 ; 337.238,138.5 337.24,138.5 ; 337.238,162.5 337.24,162.5 ; 337.238,186.5 337.24,186.5 ; 337.238,210.5 337.24,210.5 ; 345.988,58 345.99,58 ; 345.988,73 345.99,73 ; 345.988,82 345.99,82 ; 345.988,97 345.99,97 ; 345.988,106 345.99,106 ; 345.988,121 345.99,121 ; 345.988,130 345.99,130 ; 345.988,145 345.99,145 ; 345.988,154 345.99,154 ; 345.988,169 345.99,169 ; 345.988,178 345.99,178 ; 345.988,193 345.99,193 ; 345.988,202 345.99,202 ; 358.76,67.5 358.762,67.5 ; 358.76,91.5 358.762,91.5 ; 358.76,115.5 358.762,115.5 ; 358.76,139.5 358.762,139.5 ; 358.76,163.5 358.762,163.5 ; 358.76,187.5 358.762,187.5 ; 359.76,235 359.762,235 ; 359.76,240 359.762,240 ; 359.76,251 359.762,251 ; 359.76,255 359.762,255 ; 361,232.76 361,232.762 ; 361.238,66.5 361.24,66.5 ; 361.238,90.5 361.24,90.5 ; 361.238,114.5 361.24,114.5 ; 361.238,138.5 361.24,138.5 ; 361.238,162.5 361.24,162.5 ; 361.238,186.5 361.24,186.5 ; 369.988,58 369.99,58 ; 369.988,82 369.99,82 ; 369.988,106 369.99,106 ; 369.988,130 369.99,130 ; 369.988,154 369.99,154 ; 369.988,178 369.99,178 ; 370,232.76 370,232.762 ; 382,232.76 382,232.762 ; 384.238,234 384.24,234 ; 384.238,239 384.24,239 ; 384.238,250 384.24,250 ; 384.238,254 384.24,254

## Text inside footprints (layer, text, board x,y; h text height)
D24: PIN_NUMBER "1" at 321.15,186.2 h0.8 r270; PIN_NUMBER "2" at 321.14,187.9 h0.8 r270
D25: PIN_NUMBER "1" at 297.15,186.2 h0.8 r270; PIN_NUMBER "2" at 297.14,187.9 h0.8 r270
D26: PIN_NUMBER "1" at 273.15,186.2 h0.8 r270; PIN_NUMBER "2" at 273.14,187.9 h0.8 r270
D27: PIN_NUMBER "1" at 249.15,186.2 h0.8 r270; PIN_NUMBER "2" at 249.14,187.9 h0.8 r270
D28: PIN_NUMBER "1" at 225.15,186.2 h0.8 r270; PIN_NUMBER "2" at 225.14,187.9 h0.8 r270
D29: PIN_NUMBER "1" at 369.15,162.2 h0.8 r270; PIN_NUMBER "2" at 369.14,163.9 h0.8 r270
D30: PIN_NUMBER "1" at 345.15,162.2 h0.8 r270; PIN_NUMBER "2" at 345.14,163.9 h0.8 r270
D31: PIN_NUMBER "1" at 321.15,162.2 h0.8 r270; PIN_NUMBER "2" at 321.14,163.9 h0.8 r270
D32: PIN_NUMBER "1" at 297.15,162.2 h0.8 r270; PIN_NUMBER "2" at 297.14,163.9 h0.8 r270
D33: PIN_NUMBER "1" at 273.15,162.2 h0.8 r270; PIN_NUMBER "2" at 273.14,163.9 h0.8 r270
D34: PIN_NUMBER "1" at 249.15,162.2 h0.8 r270; PIN_NUMBER "2" at 249.14,163.9 h0.8 r270
D35: PIN_NUMBER "1" at 225.15,162.2 h0.8 r270; PIN_NUMBER "2" at 225.14,163.9 h0.8 r270
D36: PIN_NUMBER "1" at 369.15,138.2 h0.8 r270; PIN_NUMBER "2" at 369.14,139.9 h0.8 r270
D37: PIN_NUMBER "1" at 345.15,138.2 h0.8 r270; PIN_NUMBER "2" at 345.14,139.9 h0.8 r270
D38: PIN_NUMBER "1" at 321.15,138.2 h0.8 r270; PIN_NUMBER "2" at 321.14,139.9 h0.8 r270
D39: PIN_NUMBER "1" at 297.15,138.2 h0.8 r270; PIN_NUMBER "2" at 297.14,139.9 h0.8 r270
D40: PIN_NUMBER "1" at 273.15,138.2 h0.8 r270; PIN_NUMBER "2" at 273.14,139.9 h0.8 r270
D41: PIN_NUMBER "1" at 249.15,138.2 h0.8 r270; PIN_NUMBER "2" at 249.14,139.9 h0.8 r270
D42: PIN_NUMBER "1" at 225.15,138.2 h0.8 r270; PIN_NUMBER "2" at 225.14,139.9 h0.8 r270
D43: PIN_NUMBER "1" at 369.15,114.2 h0.8 r270; PIN_NUMBER "2" at 369.14,115.9 h0.8 r270
D44: PIN_NUMBER "1" at 345.15,114.2 h0.8 r270; PIN_NUMBER "2" at 345.14,115.9 h0.8 r270
D45: PIN_NUMBER "1" at 321.15,114.2 h0.8 r270; PIN_NUMBER "2" at 321.14,115.9 h0.8 r270
D46: PIN_NUMBER "1" at 297.15,114.2 h0.8 r270; PIN_NUMBER "2" at 297.14,115.9 h0.8 r270
D47: PIN_NUMBER "1" at 273.15,114.2 h0.8 r270; PIN_NUMBER "2" at 273.14,115.9 h0.8 r270
D48: PIN_NUMBER "1" at 249.15,114.2 h0.8 r270; PIN_NUMBER "2" at 249.14,115.9 h0.8 r270
D49: PIN_NUMBER "1" at 225.15,114.2 h0.8 r270; PIN_NUMBER "2" at 225.14,115.9 h0.8 r270
D50: PIN_NUMBER "1" at 369.15,90.2 h0.8 r270; PIN_NUMBER "2" at 369.14,91.9 h0.8 r270
D51: PIN_NUMBER "1" at 345.15,90.2 h0.8 r270; PIN_NUMBER "2" at 345.14,91.9 h0.8 r270
D52: PIN_NUMBER "1" at 321.15,90.2 h0.8 r270; PIN_NUMBER "2" at 321.14,91.9 h0.8 r270
D53: PIN_NUMBER "1" at 297.15,90.2 h0.8 r270; PIN_NUMBER "2" at 297.14,91.9 h0.8 r270
D54: PIN_NUMBER "1" at 273.15,90.2 h0.8 r270; PIN_NUMBER "2" at 273.14,91.9 h0.8 r270
D55: PIN_NUMBER "1" at 249.15,90.2 h0.8 r270; PIN_NUMBER "2" at 249.14,91.9 h0.8 r270
D56: PIN_NUMBER "1" at 225.15,90.2 h0.8 r270; PIN_NUMBER "2" at 225.14,91.9 h0.8 r270
D57: PIN_NUMBER "1" at 369.15,66.2 h0.8 r270; PIN_NUMBER "2" at 369.14,67.9 h0.8 r270
D58: PIN_NUMBER "1" at 345.15,66.2 h0.8 r270; PIN_NUMBER "2" at 345.14,67.9 h0.8 r270
D59: PIN_NUMBER "1" at 321.15,66.2 h0.8 r270; PIN_NUMBER "2" at 321.14,67.9 h0.8 r270
D60: PIN_NUMBER "1" at 297.15,66.2 h0.8 r270; PIN_NUMBER "2" at 297.14,67.9 h0.8 r270
D61: PIN_NUMBER "1" at 273.15,66.2 h0.8 r270; PIN_NUMBER "2" at 273.14,67.9 h0.8 r270
D62: PIN_NUMBER "1" at 249.15,66.2 h0.8 r270; PIN_NUMBER "2" at 249.14,67.9 h0.8 r270
D63: PIN_NUMBER "1" at 225.15,66.2 h0.8 r270; PIN_NUMBER "2" at 225.14,67.9 h0.8 r270
Designator1: PIN_NUMBER "1" at 351.36,252.51 h0.3 r270; PIN_NUMBER "2" at 348.16,252.53 h0.3 r270; ASSEMBLY_TOP "C55" at 348,251.5 h0.8 r180
Designator1: PIN_NUMBER "1" at 386.66,253.99 h0.3 r90; PIN_NUMBER "2" at 389.86,253.97 h0.3 r90; ASSEMBLY_TOP "C38" at 386.7,256.1 h0.8
Designator1: PIN_NUMBER "1" at 384.66,230.99 h0.3 r90; PIN_NUMBER "2" at 387.86,230.97 h0.3 r90; ASSEMBLY_TOP "C118" at 384.7,233.1 h0.8
Designator1: PIN_NUMBER "1" at 357.36,238.51 h0.3 r270; PIN_NUMBER "2" at 354.16,238.53 h0.3 r270; ASSEMBLY_TOP "C109" at 357.8,236.4 h0.8 r180
Designator1: PIN_NUMBER "1" at 351.36,255.01 h0.3 r270; PIN_NUMBER "2" at 348.16,255.03 h0.3 r270; ASSEMBLY_TOP "C42" at 348,254 h0.8 r180
Designator1: PIN_NUMBER "1" at 351.86,241.01 h0.3 r270; PIN_NUMBER "2" at 348.66,241.03 h0.3 r270; ASSEMBLY_TOP "C106" at 352.3,238.9 h0.8 r180
Designator1: PIN_NUMBER "1" at 262.66,230.99 h0.3 r90; PIN_NUMBER "2" at 265.86,230.97 h0.3 r90; ASSEMBLY_TOP "C116" at 262.7,233.1 h0.8
Designator1: PIN_NUMBER "1" at 235.36,238.51 h0.3 r270; PIN_NUMBER "2" at 232.16,238.53 h0.3 r270; ASSEMBLY_TOP "C107" at 235.8,236.4 h0.8 r180
Designator1: PIN_NUMBER "1" at 264.66,253.99 h0.3 r90; PIN_NUMBER "2" at 267.86,253.97 h0.3 r90; ASSEMBLY_TOP "C36" at 264.7,256.1 h0.8
Designator1: PIN_NUMBER "1" at 229.36,255.01 h0.3 r270; PIN_NUMBER "2" at 226.16,255.03 h0.3 r270; ASSEMBLY_TOP "C40" at 226,254 h0.8 r180
Designator1: PIN_NUMBER "1" at 229.86,241.01 h0.3 r270; PIN_NUMBER "2" at 226.66,241.03 h0.3 r270; ASSEMBLY_TOP "C104" at 230.3,238.9 h0.8 r180
Designator1: PIN_NUMBER "1" at 229.36,252.51 h0.3 r270; PIN_NUMBER "2" at 226.16,252.53 h0.3 r270; ASSEMBLY_TOP "C53" at 226,251.5 h0.8 r180
Designator1: PIN_NUMBER "1" at 290.86,241.01 h0.3 r270; PIN_NUMBER "2" at 287.66,241.03 h0.3 r270; ASSEMBLY_TOP "C105" at 291.3,238.9 h0.8 r180
Designator1: PIN_NUMBER "1" at 290.36,252.51 h0.3 r270; PIN_NUMBER "2" at 287.16,252.53 h0.3 r270; ASSEMBLY_TOP "C54" at 287,251.5 h0.8 r180
Designator1: PIN_NUMBER "1" at 323.66,230.99 h0.3 r90; PIN_NUMBER "2" at 326.86,230.97 h0.3 r90; ASSEMBLY_TOP "C117" at 323.7,233.1 h0.8
Designator1: PIN_NUMBER "1" at 296.36,238.51 h0.3 r270; PIN_NUMBER "2" at 293.16,238.53 h0.3 r270; ASSEMBLY_TOP "C108" at 296.8,236.4 h0.8 r180
Designator1: PIN_NUMBER "1" at 325.66,253.99 h0.3 r90; PIN_NUMBER "2" at 328.86,253.97 h0.3 r90; ASSEMBLY_TOP "C37" at 325.7,256.1 h0.8
Designator1: PIN_NUMBER "1" at 290.36,255.01 h0.3 r270; PIN_NUMBER "2" at 287.16,255.03 h0.3 r270; ASSEMBLY_TOP "C41" at 287,254 h0.8 r180
Designator1: PIN_NUMBER "1" at 197.66,79.24 h0.3 r90; PIN_NUMBER "2" at 200.86,79.22 h0.3 r90; ASSEMBLY_TOP "C388" at 197.7,81.35 h0.8
Designator1: PIN_NUMBER "1" at 197.66,92.99 h0.3 r90; PIN_NUMBER "2" at 200.86,92.97 h0.3 r90; ASSEMBLY_TOP "C363" at 197.7,95.1 h0.8
Designator1: PIN_NUMBER "1" at 202.25,47.6 h0.3; PIN_NUMBER "2" at 202.23,44.4 h0.3; ASSEMBLY_TOP "C1010" at 204.6,47.8 h0.8 r270
Designator1: PIN_NUMBER "1" at 194.36,59.51 h0.3 r270; PIN_NUMBER "2" at 191.16,59.53 h0.3 r270; ASSEMBLY_TOP "C992" at 194.8,57.4 h0.8 r180
FB1: PIN_NUMBER "2" at 225.96,211.65 h0.8 r270; PIN_NUMBER "1" at 227.76,211.62 h0.8 r270
FB2: PIN_NUMBER "2" at 249.96,211.65 h0.8 r270; PIN_NUMBER "1" at 251.76,211.62 h0.8 r270
FB3: PIN_NUMBER "2" at 273.96,211.65 h0.8 r270; PIN_NUMBER "1" at 275.76,211.62 h0.8 r270
FB4: PIN_NUMBER "2" at 297.96,211.65 h0.8 r270; PIN_NUMBER "1" at 299.76,211.62 h0.8 r270
FB5: PIN_NUMBER "2" at 321.96,211.65 h0.8 r270; PIN_NUMBER "1" at 323.76,211.62 h0.8 r270
FB6: PIN_NUMBER "2" at 345.96,211.65 h0.8 r270; PIN_NUMBER "1" at 347.76,211.62 h0.8 r270
FB7: PIN_NUMBER "2" at 225.96,187.65 h0.8 r270; PIN_NUMBER "1" at 227.76,187.62 h0.8 r270
FB8: PIN_NUMBER "2" at 249.96,187.65 h0.8 r270; PIN_NUMBER "1" at 251.76,187.62 h0.8 r270
FB9: PIN_NUMBER "2" at 273.96,187.65 h0.8 r270; PIN_NUMBER "1" at 275.76,187.62 h0.8 r270
FB10: PIN_NUMBER "2" at 297.96,187.65 h0.8 r270; PIN_NUMBER "1" at 299.76,187.62 h0.8 r270
FB11: PIN_NUMBER "2" at 321.96,187.65 h0.8 r270; PIN_NUMBER "1" at 323.76,187.62 h0.8 r270
FB12: PIN_NUMBER "2" at 345.96,187.65 h0.8 r270; PIN_NUMBER "1" at 347.76,187.62 h0.8 r270
FB13: PIN_NUMBER "2" at 369.96,187.65 h0.8 r270; PIN_NUMBER "1" at 371.76,187.62 h0.8 r270
FB14: PIN_NUMBER "2" at 225.96,163.65 h0.8 r270; PIN_NUMBER "1" at 227.76,163.62 h0.8 r270
FB15: PIN_NUMBER "2" at 249.96,163.65 h0.8 r270; PIN_NUMBER "1" at 251.76,163.62 h0.8 r270
FB16: PIN_NUMBER "2" at 273.96,163.65 h0.8 r270; PIN_NUMBER "1" at 275.76,163.62 h0.8 r270
FB17: PIN_NUMBER "2" at 297.96,163.65 h0.8 r270; PIN_NUMBER "1" at 299.76,163.62 h0.8 r270
FB18: PIN_NUMBER "2" at 321.96,163.65 h0.8 r270; PIN_NUMBER "1" at 323.76,163.62 h0.8 r270
FB19: PIN_NUMBER "2" at 345.96,163.65 h0.8 r270; PIN_NUMBER "1" at 347.76,163.62 h0.8 r270
FB20: PIN_NUMBER "2" at 369.96,163.65 h0.8 r270; PIN_NUMBER "1" at 371.76,163.62 h0.8 r270
FB21: PIN_NUMBER "2" at 225.96,139.65 h0.8 r270; PIN_NUMBER "1" at 227.76,139.62 h0.8 r270
FB22: PIN_NUMBER "2" at 249.96,139.65 h0.8 r270; PIN_NUMBER "1" at 251.76,139.62 h0.8 r270
FB23: PIN_NUMBER "2" at 273.96,139.65 h0.8 r270; PIN_NUMBER "1" at 275.76,139.62 h0.8 r270
FB24: PIN_NUMBER "2" at 297.96,139.65 h0.8 r270; PIN_NUMBER "1" at 299.76,139.62 h0.8 r270
FB25: PIN_NUMBER "2" at 321.96,139.65 h0.8 r270; PIN_NUMBER "1" at 323.76,139.62 h0.8 r270
FB26: PIN_NUMBER "2" at 345.96,139.65 h0.8 r270; PIN_NUMBER "1" at 347.76,139.62 h0.8 r270
FB27: PIN_NUMBER "2" at 369.96,139.65 h0.8 r270; PIN_NUMBER "1" at 371.76,139.62 h0.8 r270
FB28: PIN_NUMBER "2" at 225.96,115.65 h0.8 r270; PIN_NUMBER "1" at 227.76,115.62 h0.8 r270
FB29: PIN_NUMBER "2" at 249.96,115.65 h0.8 r270; PIN_NUMBER "1" at 251.76,115.62 h0.8 r270
FB30: PIN_NUMBER "2" at 273.96,115.65 h0.8 r270; PIN_NUMBER "1" at 275.76,115.62 h0.8 r270
FB31: PIN_NUMBER "2" at 297.96,115.65 h0.8 r270; PIN_NUMBER "1" at 299.76,115.62 h0.8 r270
FB32: PIN_NUMBER "2" at 321.96,115.65 h0.8 r270; PIN_NUMBER "1" at 323.76,115.62 h0.8 r270
FB33: PIN_NUMBER "2" at 345.96,115.65 h0.8 r270; PIN_NUMBER "1" at 347.76,115.62 h0.8 r270
FB34: PIN_NUMBER "2" at 369.96,115.65 h0.8 r270; PIN_NUMBER "1" at 371.76,115.62 h0.8 r270
FB35: PIN_NUMBER "2" at 186.01,111.4 h0.8 r180; PIN_NUMBER "1" at 185.98,109.6 h0.8 r180
FB36: PIN_NUMBER "2" at 225.96,91.65 h0.8 r270; PIN_NUMBER "1" at 227.76,91.62 h0.8 r270
FB37: PIN_NUMBER "2" at 249.96,91.65 h0.8 r270; PIN_NUMBER "1" at 251.76,91.62 h0.8 r270
FB38: PIN_NUMBER "2" at 273.96,91.65 h0.8 r270; PIN_NUMBER "1" at 275.76,91.62 h0.8 r270
FB39: PIN_NUMBER "2" at 297.96,91.65 h0.8 r270; PIN_NUMBER "1" at 299.76,91.62 h0.8 r270
FB40: PIN_NUMBER "2" at 321.96,91.65 h0.8 r270; PIN_NUMBER "1" at 323.76,91.62 h0.8 r270
FB41: PIN_NUMBER "2" at 345.96,91.65 h0.8 r270; PIN_NUMBER "1" at 347.76,91.62 h0.8 r270
FB42: PIN_NUMBER "2" at 369.96,91.65 h0.8 r270; PIN_NUMBER "1" at 371.76,91.62 h0.8 r270
FB43: PIN_NUMBER "2" at 225.96,67.65 h0.8 r270; PIN_NUMBER "1" at 227.76,67.62 h0.8 r270
FB44: PIN_NUMBER "2" at 249.96,67.65 h0.8 r270; PIN_NUMBER "1" at 251.76,67.62 h0.8 r270
FB45: PIN_NUMBER "2" at 273.96,67.65 h0.8 r270; PIN_NUMBER "1" at 275.76,67.62 h0.8 r270
FB46: PIN_NUMBER "2" at 297.96,67.65 h0.8 r270; PIN_NUMBER "1" at 299.76,67.62 h0.8 r270
FB47: PIN_NUMBER "2" at 321.96,67.65 h0.8 r270; PIN_NUMBER "1" at 323.76,67.62 h0.8 r270
FB48: PIN_NUMBER "2" at 345.96,67.65 h0.8 r270; PIN_NUMBER "1" at 347.76,67.62 h0.8 r270
FB49: PIN_NUMBER "2" at 369.96,67.65 h0.8 r270; PIN_NUMBER "1" at 371.76,67.62 h0.8 r270
J1: PIN_NUMBER "14" at 211.524,259.27 h0.64 r270; PIN_NUMBER "16" at 210.254,259.27 h0.64 r270; PIN_NUMBER "33" at 198.824,263.27 h0.64 r270; PIN_NUMBER "31" at 200.094,263.27 h0.64 r270; PIN_NUMBER "29" at 201.364,263.27 h0.64 r270; PIN_NUMBER "27" at 202.634,263.27 h0.64 r270; PIN_NUMBER "25" at 203.904,263.27 h0.64 r270; PIN_NUMBER "23" at 205.174,263.27 h0.64 r270; PIN_NUMBER "21" at 206.444,263.27 h0.64 r270; PIN_NUMBER "2" at 219.652,259.27 h0.64 r270; PIN_NUMBER "4" at 218.382,259.27 h0.64 r270; PIN_NUMBER "6" at 217.112,259.27 h0.64 r270; PIN_NUMBER "8" at 215.842,259.27 h0.64 r270; PIN_NUMBER "10" at 214.064,259.27 h0.64 r270; PIN_NUMBER "12" at 212.794,259.27 h0.64 r270; PIN_NUMBER "19" at 207.714,263.27 h0.64 r270; PIN_NUMBER "1" at 219.652,263.27 h0.64 r270; PIN_NUMBER "30" at 201.364,259.27 h0.64 r270; PIN_NUMBER "26" at 203.904,259.27 h0.64 r270; PIN_NUMBER "24" at 205.174,259.27 h0.64 r270; PIN_NUMBER "22" at 206.444,259.27 h0.64 r270; PIN_NUMBER "20" at 207.714,259.27 h0.64 r270; PIN_NUMBER "17" at 208.984,263.27 h0.64 r270; PIN_NUMBER "15" at 210.254,263.27 h0.64 r270; PIN_NUMBER "13" at 211.524,263.27 h0.64 r270; PIN_NUMBER "11" at 212.794,263.27 h0.64 r270; PIN_NUMBER "5" at 217.112,263.27 h0.64 r270; PIN_NUMBER "28" at 202.634,259.27 h0.64 r270; PIN_NUMBER "9" at 214.572,263.27 h0.64 r270; PIN_NUMBER "7" at 215.842,263.27 h0.64 r270; PIN_NUMBER "3" at 218.382,263.27 h0.64 r270; PIN_NUMBER "18" at 208.984,259.27 h0.64 r270; PIN_NUMBER "32" at 200.094,259.27 h0.64 r270; PIN_NUMBER "34" at 198.824,259.27 h0.64 r270
J2: PIN_NUMBER "6" at 189.12,256.52 h0.8 r270; PIN_NUMBER "5" at 189.17,255.29 h0.8 r270; PIN_NUMBER "3" at 188.99,252.72 h0.8 r270; PIN_NUMBER "2" at 189.07,251.42 h0.8 r270; PIN_NUMBER "1" at 189.12,250.18 h0.8 r270; PIN_NUMBER "4" at 189.17,253.99 h0.8 r270; PIN_NUMBER "7" at 189.14,257.81 h0.8 r270
J3: PIN_NUMBER "2" at 267.36,239 h0.8 r180; PIN_NUMBER "4" at 267.36,241 h0.8 r180; PIN_NUMBER "8" at 267.36,245 h0.8 r180; PIN_NUMBER "10" at 266.72,247 h0.8 r180; PIN_NUMBER "6" at 267.36,243 h0.8 r180; PIN_NUMBER "1" at 275.36,239 h0.8 r180; PIN_NUMBER "7" at 275.36,245 h0.8 r180; PIN_NUMBER "3" at 275.36,241 h0.8 r180; PIN_NUMBER "5" at 275.36,243 h0.8 r180; PIN_NUMBER "9" at 275.36,247 h0.8 r180; PIN_NUMBER "11" at 274.72,249 h0.8 r180; PIN_NUMBER "13" at 274.72,251 h0.8 r180; PIN_NUMBER "14" at 266.72,251 h0.8 r180; PIN_NUMBER "12" at 266.72,249 h0.8 r180
J4: PIN_NUMBER "6" at 189.12,238.02 h0.8 r270; PIN_NUMBER "5" at 189.17,236.79 h0.8 r270; PIN_NUMBER "3" at 188.99,234.22 h0.8 r270; PIN_NUMBER "2" at 189.07,232.92 h0.8 r270; PIN_NUMBER "1" at 189.12,231.68 h0.8 r270; PIN_NUMBER "4" at 189.17,235.49 h0.8 r270; PIN_NUMBER "7" at 189.14,239.31 h0.8 r270
J5: PIN_NUMBER "6" at 189.12,219.52 h0.8 r270; PIN_NUMBER "5" at 189.17,218.29 h0.8 r270; PIN_NUMBER "3" at 188.99,215.72 h0.8 r270; PIN_NUMBER "2" at 189.07,214.42 h0.8 r270; PIN_NUMBER "1" at 189.12,213.18 h0.8 r270; PIN_NUMBER "4" at 189.17,216.99 h0.8 r270; PIN_NUMBER "7" at 189.14,220.81 h0.8 r270